# Altium PCB FIT_TDC_ADC.PcbDoc (part 3 of 10) (continued)
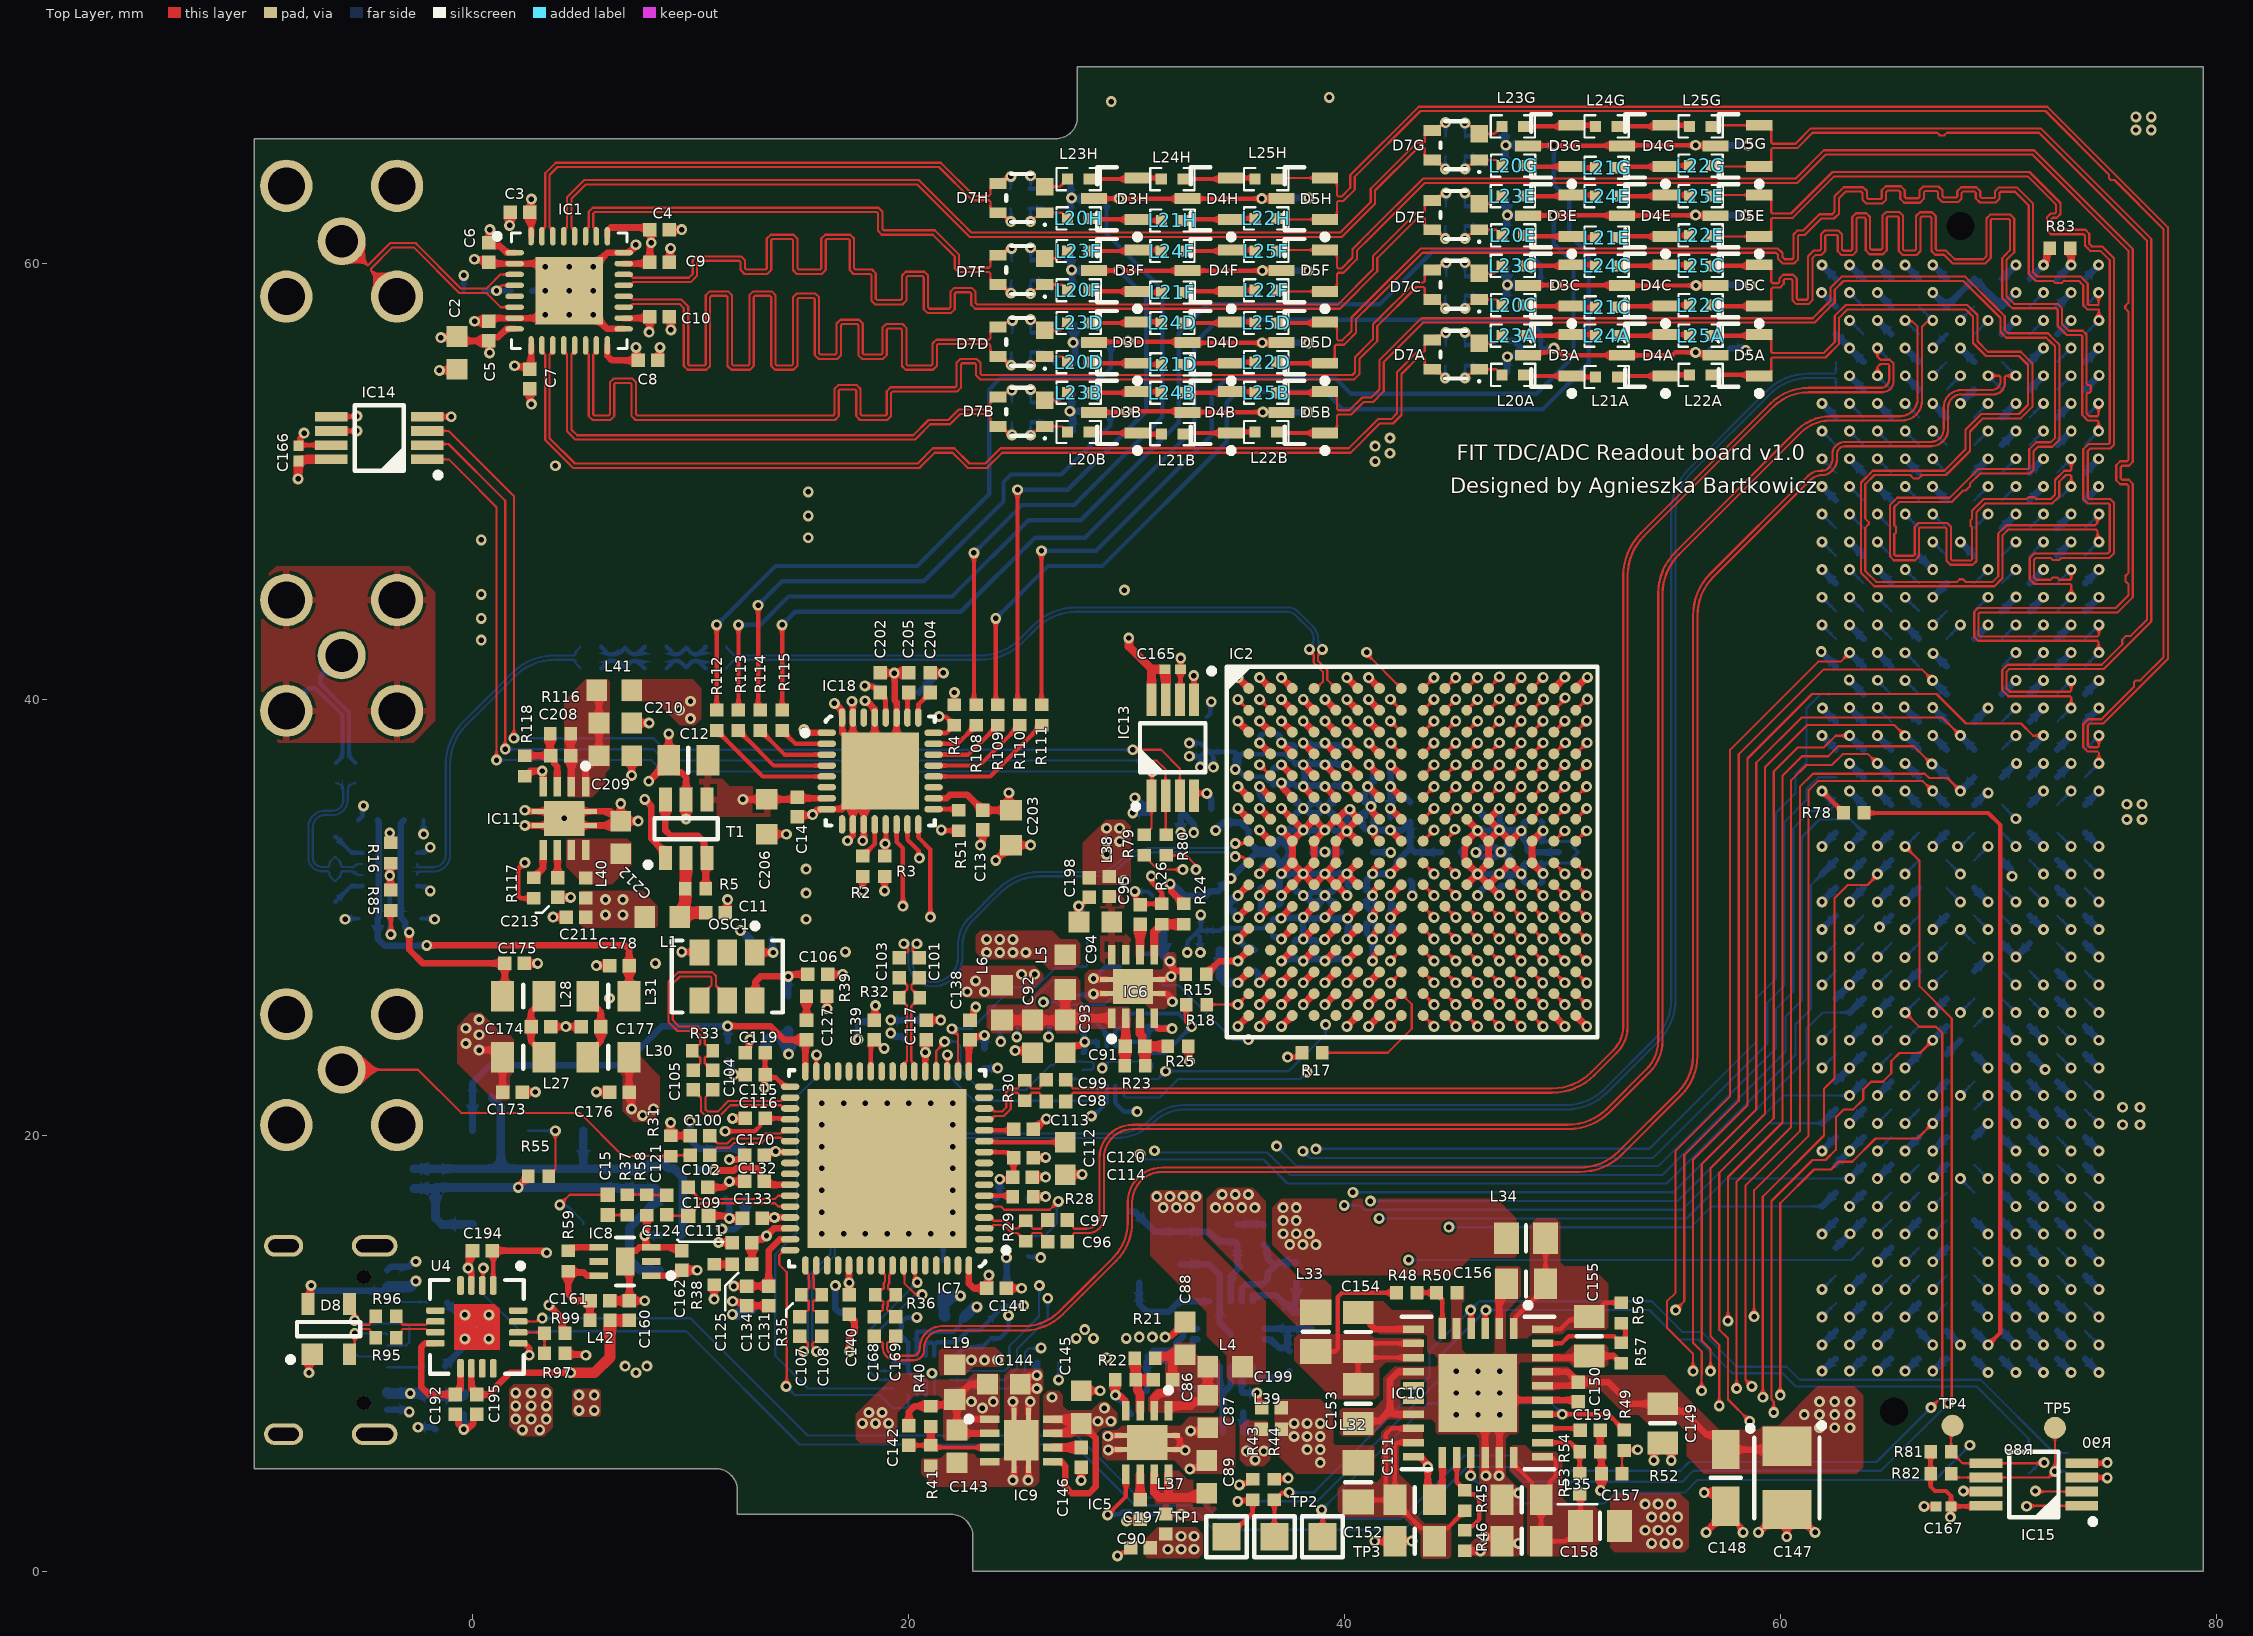
[diagram p0: Top Layer view]
## Nets (pads, with @x,y where several pads share a name; then routed paths per layer and width w, separated by ;. In a path a pad name is that pad's centre, name@x,y a point inside that pad or via, vN(x,y) a via of type N, cw(c..) or ccw(c..) an arc to the next point about the centre after c; other vN are vias at no path point) (continued)
  Bottom Layer w0.1: v1(65.72,48.479) 65.72,48.469 J4.g10@66.345,47.844
DA_D2_P: IC2.C9 J4.g9 | length 47.9
  Top Layer w0.1: IC2.C9@43.604,38.485 44.102,38.983 v1(44.102,38.985)
  SIGNAL2 w0.1: v1(44.102,38.985) 44.158,39.042 44.413,39.042 44.501,39.129 44.501,39.285 44.402,39.383 43.253,39.383 42.709,39.927 42.709,40.302 42.651,40.361 42.427,40.361 42.251,40.537 42.251,41.467 42.427,41.643 42.654,41.643 42.713,41.702 42.713,42.202 42.654,42.26 42.502,42.26 42.326,42.436 42.326,43.219 42.502,43.395 42.692,43.395 42.75,43.453 42.75,43.838 42.692,43.897 42.452,43.897 42.277,44.073 42.277,45.22 42.452,45.396 42.772,45.396 43.517,46.14 43.517,46.223 43.357,46.383 43.357,46.632 43.374,46.649 44.16,47.435 44.177,47.452 44.426,47.452 44.515,47.363 44.598,47.363 44.953,47.719 44.953,47.802 44.867,47.888 44.867,48.137 44.884,48.154 45.394,48.664 45.411,48.681 45.66,48.681 45.677,48.664 45.752,48.589 45.835,48.589 46.258,49.012 46.258,49.095 46.163,49.19 46.163,49.438 46.18,49.455 46.709,49.985 46.715,49.99 46.963,49.99 47.005,49.949 47.028,49.949 47.111,49.949 47.415,50.253 47.415,50.336 47.341,50.41 47.341,50.659 47.358,50.676 47.814,51.132 47.831,51.15 48.08,51.15 48.143,51.086 48.226,51.086 48.535,51.396 48.535,51.479 48.458,51.555 48.458,51.804 48.476,51.821 48.966,52.311 49.432,52.311 49.831,52.711 50.463,52.711 50.639,52.535 50.639,52.302 50.697,52.244 51.11,52.244 51.169,52.302 51.169,52.553 51.344,52.729 52.012,52.729 52.188,52.553 52.188,52.317 52.246,52.259 52.74,52.259 52.799,52.317 52.799,52.575 52.975,52.751 53.684,52.751 53.86,52.575 53.86,52.31 53.918,52.251 54.357,52.251 54.416,52.31 54.416,52.588 54.591,52.764 55.196,52.764 55.372,52.588 55.372,52.321 55.43,52.262 55.884,52.262 55.943,52.321 55.943,52.593 56.119,52.768 56.873,52.768 57.049,52.593 57.049,52.343 57.107,52.285 57.615,52.285 57.673,52.343 57.673,52.627 57.849,52.803 58.489,52.803 58.665,52.627 58.665,52.325 58.723,52.266 59.237,52.266 59.295,52.325 59.295,52.528 59.471,52.703 60.294,52.703 60.469,52.528 60.469,49.273 60.528,49.214 65.651,49.214 65.71,49.273 65.71,49.739 v1(65.72,49.749)
  Bottom Layer w0.1: v1(65.72,49.749) 65.72,49.739 J4.g9@66.345,49.114
DA_D3_N: IC2.D10 J4.c11 | length 48.8
  Top Layer w0.1: IC2.D10@44.604,37.485 45.102,37.983 v1(45.102,37.985)
  SIGNAL2 w0.1: v1(45.102,37.985) 45.066,38.021 44.774,38.021 44.704,38.091 44.704,38.367 44.501,38.57 43.371,38.57 42.496,39.445 42.437,39.504 42.352,39.589 41.938,39.589 41.704,39.823 41.704,45.774 49.195,53.265 60.682,53.265 61.252,52.695 61.252,52.089 61.863,51.478 61.921,51.419 62.065,51.419 62.423,51.062 62.423,50.918 63.039,50.301 66.988,50.301 68.085,49.204 68.085,48.854 68.144,48.796 68.842,48.097 69.078,47.861 69.195,47.744 72.001,47.744 72.06,47.686 v1(72.06,47.209)
  Bottom Layer w0.1: J4.c11@71.425,46.574 v1(72.06,47.209)
DA_D3_P: IC2.D9 J4.c10 | length 49.1
  Top Layer w0.1: IC2.D9@43.604,37.485 44.102,37.983 v1(44.102,37.985)
  SIGNAL2 w0.1: v1(44.102,37.985) 44.137,38.021 44.434,38.021 44.504,38.091 44.504,38.284 44.418,38.37 43.288,38.37 42.413,39.245 42.354,39.304 42.269,39.389 41.855,39.389 41.504,39.74 41.504,45.857 49.112,53.465 60.765,53.465 61.452,52.778 61.452,52.171 62.004,51.619 62.148,51.619 62.623,51.145 62.623,51.001 63.122,50.501 67.071,50.501 68.285,49.287 68.285,48.937 69.278,47.944 72.001,47.944 72.06,48.003 v1(72.06,48.479)
  Bottom Layer w0.1: J4.c10@71.425,47.844 v1(72.06,48.479)
DA_D4_N: IC2.E10 J4.h8 | length 46.8
  Top Layer w0.1: IC2.E10@44.604,36.485 v1(45.104,36.985)
  SIGNAL2 w0.1: v1(45.104,36.985) 45.068,37.021 44.774,37.021 44.704,37.091 44.704,37.367 44.501,37.57 43.569,37.57 43.393,37.394 43.393,36.363 43.335,36.304 42.781,36.304 42.723,36.363 42.723,37.411 42.547,37.586 41.951,37.586 41.721,37.816 41.721,38.311 41.443,38.589 40.935,38.589 40.704,38.82 40.704,41.749 40.458,41.995 40.458,42.351 40.788,42.681 40.788,43.022 40.443,43.366 40.443,43.553 40.768,43.879 40.768,44.181 40.449,44.501 40.449,44.771 40.684,45.006 40.684,45.835 49.019,54.17 61.871,54.17 62.42,53.621 62.42,52.157 63.022,51.554 64.276,51.554 64.44,51.39 v1(64.44,51.019)
  Bottom Layer w0.1: v1(64.44,51.019) J4.h8@65.075,50.384
DA_D4_P: IC2.E9 J4.h7 | length 47.2
  Top Layer w0.1: IC2.E9@43.604,36.485 v1(44.104,36.985)
  SIGNAL2 w0.1: v1(44.104,36.985) 44.139,37.021 44.434,37.021 44.504,37.091 44.504,37.284 44.418,37.37 43.652,37.37 43.593,37.312 43.593,36.28 43.418,36.104 42.698,36.104 42.523,36.28 42.523,37.328 42.464,37.386 41.868,37.386 41.521,37.733 41.521,38.228 41.36,38.389 40.852,38.389 40.504,38.737 40.504,41.666 40.375,41.795 40.258,41.913 40.258,42.433 40.316,42.492 40.414,42.59 40.588,42.763 40.588,42.939 40.243,43.283 40.243,43.636 40.568,43.962 40.568,44.098 40.249,44.418 40.249,44.854 40.366,44.971 40.484,45.089 40.484,45.918 48.936,54.37 61.954,54.37 62.62,53.704 62.62,52.239 63.105,51.754 64.276,51.754 64.44,51.918 v1(64.44,52.289)
  Bottom Layer w0.1: v1(64.44,52.289) J4.h7@65.075,51.654
DA_D5_N: IC2.F10 J4.g13 | length 47.4
  Top Layer w0.1: IC2.F10@44.604,35.485 v1(45.104,35.985)
  SIGNAL2 w0.1: v1(45.104,35.985) 45.068,36.021 44.774,36.021 44.704,36.091 44.704,36.284 44.79,36.37 45.406,36.37 45.704,36.668 45.704,37.234 45.702,37.236 45.702,41.557 45.766,41.622 45.908,41.622 46.084,41.797 46.084,42.496 45.908,42.672 45.776,42.672 45.718,42.731 45.718,42.959 46.45,43.691 46.45,43.94 46.225,44.164 46.225,44.279 46.587,44.641 46.604,44.658 46.687,44.658 46.971,44.374 47.22,44.374 47.725,44.879 47.725,45.149 47.419,45.455 47.419,45.538 47.436,45.555 47.854,45.973 47.871,45.99 47.954,45.99 48.27,45.674 48.519,45.674 49.024,46.178 49.024,46.449 48.737,46.735 48.737,46.818 48.754,46.835 49.172,47.253 49.189,47.27 49.272,47.27 49.57,46.973 49.818,46.973 50.323,47.478 50.323,47.748 50.123,47.948 50.123,48.031 50.745,48.653 51.305,48.653 51.364,48.594 51.364,48.227 51.539,48.052 52.372,48.052 52.548,48.227 52.548,48.518 52.607,48.577 53.163,48.577 53.221,48.518 53.221,48.234 53.397,48.058 54.118,48.058 54.294,48.234 54.294,48.428 54.352,48.487 54.841,48.487 54.92,48.408 54.92,45.868 55.096,45.692 55.944,45.692 56.12,45.868 56.12,48.911 56.178,48.969 56.819,48.969 56.878,48.911 56.878,46.154 57.054,45.979 60.777,45.979 60.835,45.92 60.835,45.395 61.011,45.219 65.531,45.219 65.71,45.04 65.71,44.679 v1(65.72,44.669)
  Bottom Layer w0.1: v1(65.72,44.669) 65.72,44.659 J4.g13@66.345,44.034
DA_D5_P: IC2.F9 J4.g12 | length 47.6
  Top Layer w0.1: IC2.F9@43.604,35.485 v1(44.104,35.985)
  SIGNAL2 w0.1: v1(44.104,35.985) 44.139,36.021 44.434,36.021 44.504,36.091 44.504,36.367 44.707,36.57 45.323,36.57 45.504,36.751 45.504,37.151 45.502,37.153 45.502,41.64 45.684,41.822 45.825,41.822 45.884,41.88 45.884,42.414 45.825,42.472 45.693,42.472 45.518,42.648 45.518,43.042 46.25,43.774 46.25,43.857 46.025,44.081 46.025,44.362 46.504,44.841 46.522,44.858 46.77,44.858 47.054,44.574 47.137,44.574 47.525,44.962 47.525,45.067 ; 47.506,45.085 47.219,45.372 47.219,45.621 47.236,45.638 47.771,46.173 47.788,46.19 48.037,46.19 48.353,45.874 48.436,45.874 48.824,46.261 48.824,46.366 ; 48.805,46.384 48.537,46.652 48.537,46.901 48.554,46.918 49.089,47.453 49.107,47.47 49.355,47.47 49.653,47.173 49.735,47.173 50.123,47.561 50.123,47.665 ; 50.105,47.684 49.923,47.865 49.923,48.114 50.662,48.853 51.388,48.853 51.564,48.677 51.564,48.31 51.622,48.252 52.289,48.252 52.348,48.31 52.348,48.601 52.524,48.777 53.245,48.777 53.421,48.601 53.421,48.317 53.48,48.258 54.035,48.258 54.094,48.317 54.094,48.511 54.269,48.687 54.924,48.687 55.12,48.491 55.12,45.951 55.178,45.892 55.861,45.892 55.92,45.951 55.92,48.994 56.096,49.169 56.902,49.169 57.078,48.994 57.078,46.237 57.136,46.179 60.859,46.179 61.035,46.003 61.035,45.478 61.094,45.419 65.561,45.419 65.71,45.568 65.71,45.929 v1(65.72,45.939)
  Bottom Layer w0.1: v1(65.72,45.939) 65.72,45.929 J4.g12@66.345,45.304
DA_D6_N: IC2.A12 J4.h14 | length 47.7
  Top Layer w0.1: IC2.A12@46.604,40.485 47.081,40.963 47.081,41.002 v1(47.104,41.024)
  SIGNAL2 w0.1: v1(47.104,41.024) 47.1,41.021 46.774,41.021 46.704,41.091 46.704,41.353 46.769,41.418 46.91,41.418 47.086,41.593 47.086,42.293 46.91,42.468 46.778,42.468 46.72,42.527 46.72,42.869 47.12,43.269 47.12,43.469 47.32,43.669 47.603,43.669 48.42,44.486 48.42,44.769 48.62,44.969 49.003,44.969 49.62,45.586 49.62,45.969 50.053,46.403 50.374,46.403 50.432,46.344 50.432,43.585 50.608,43.409 51.387,43.409 51.563,43.585 51.563,47.211 51.622,47.269 52.148,47.269 52.206,47.211 52.206,43.482 52.382,43.306 53.151,43.306 53.327,43.482 53.327,47.169 53.385,47.228 53.963,47.228 54.022,47.169 54.022,44.245 54.197,44.069 54.836,44.069 55.012,44.245 55.012,44.77 55.071,44.828 55.566,44.828 55.625,44.77 55.625,44.202 55.8,44.026 56.467,44.026 56.643,44.202 56.643,45.074 56.701,45.133 57.23,45.133 57.289,45.074 57.289,44.202 57.464,44.026 58.406,44.026 58.581,44.202 58.581,45.139 58.64,45.197 59.167,45.197 59.226,45.139 59.226,44.165 59.401,43.989 60.228,43.989 60.403,44.165 60.403,44.415 60.462,44.474 60.984,44.474 61.043,44.415 61.043,44.11 61.219,43.934 64.276,43.934 64.44,43.77 v1(64.44,43.399)
  Bottom Layer w0.1: v1(64.44,43.399) J4.h14@65.075,42.764
DA_D6_P: IC2.A11 J4.h13 | length 48
  Top Layer w0.1: IC2.A11@45.604,40.485 v1(46.104,40.985)
  SIGNAL2 w0.1: v1(46.104,40.985) 46.139,41.021 46.434,41.021 46.504,41.091 46.504,41.436 46.686,41.618 46.827,41.618 46.886,41.676 46.886,42.21 46.827,42.268 46.696,42.268 46.52,42.444 46.52,42.952 46.92,43.352 46.92,43.552 47.237,43.869 47.52,43.869 48.22,44.569 48.22,44.852 48.537,45.169 48.92,45.169 49.42,45.669 49.42,46.052 49.97,46.603 50.456,46.603 50.632,46.427 50.632,43.668 50.691,43.609 51.304,43.609 51.363,43.668 51.363,47.294 51.539,47.469 52.23,47.469 52.406,47.294 52.406,43.565 52.465,43.506 53.068,43.506 53.127,43.565 53.127,47.252 53.302,47.428 54.046,47.428 54.222,47.252 54.222,44.328 54.28,44.269 54.754,44.269 54.812,44.328 54.812,44.853 54.988,45.028 55.649,45.028 55.825,44.853 55.825,44.285 55.883,44.226 56.384,44.226 56.443,44.285 56.443,45.157 56.618,45.333 57.313,45.333 57.489,45.157 57.489,44.285 57.547,44.226 58.323,44.226 58.381,44.285 58.381,45.221 58.557,45.397 59.25,45.397 59.426,45.221 59.426,44.248 59.484,44.189 60.145,44.189 60.203,44.248 60.203,44.498 60.379,44.674 61.067,44.674 61.243,44.498 61.243,44.193 61.301,44.134 64.276,44.134 64.44,44.298 v1(64.44,44.669)
  Bottom Layer w0.1: v1(64.44,44.669) J4.h13@65.075,44.034
DA_D7_N: IC2.B12 J4.d15 | length 47.4
  Top Layer w0.1: IC2.B12@46.604,39.485 47.104,39.985 v1(47.104,40.014)
  SIGNAL2 w0.1: v1(47.104,40.014) 47.027,40.09 46.815,40.09 46.704,40.201 46.704,40.284 46.844,40.424 47.405,40.424 47.704,40.723 47.704,41.453 47.878,41.628 47.878,42.828 48.097,43.046 48.747,43.046 48.922,43.222 48.922,43.867 49.383,44.327 49.626,44.327 49.685,44.269 49.685,43.262 49.802,43.145 50.042,42.905 50.283,42.664 50.845,42.664 51.092,42.418 51.436,42.418 51.553,42.535 51.719,42.701 52.282,42.701 52.591,42.393 52.922,42.393 53.104,42.575 53.238,42.708 53.842,42.708 54.02,42.886 54.02,43.311 54.078,43.369 54.491,43.369 54.55,43.311 54.55,42.913 54.725,42.738 55.393,42.738 55.569,42.913 55.569,43.296 55.627,43.354 56.121,43.354 56.18,43.296 56.18,42.923 56.356,42.747 57.011,42.747 57.187,42.923 57.187,43.303 57.245,43.362 57.694,43.362 57.753,43.303 57.753,42.909 57.929,42.733 58.539,42.733 58.715,42.909 58.715,43.29 58.774,43.349 59.131,43.349 59.19,43.29 59.19,42.883 59.365,42.707 59.919,42.707 60.099,42.887 60.099,43.193 60.207,43.3 60.492,43.3 60.55,43.242 60.55,42.422 60.726,42.247 61.293,42.247 61.469,42.422 61.469,42.617 61.527,42.676 62.063,42.676 62.231,42.508 62.314,42.425 62.756,42.425 62.873,42.542 63.01,42.679 63.278,42.679 63.532,42.425 64.077,42.425 64.194,42.542 64.325,42.673 64.571,42.673 64.694,42.551 64.811,42.434 65.274,42.434 65.391,42.551 65.528,42.688 65.87,42.688 66.006,42.551 66.124,42.434 66.597,42.434 66.714,42.551 66.887,42.723 67.825,42.723 67.932,42.616 68.811,42.616 69.035,42.84 69.035,43.954 68.859,44.13 68.478,44.13 68.42,44.189 68.42,45.611 68.478,45.669 68.844,45.669 68.903,45.611 68.903,45.378 69.078,45.203 71.336,45.203 71.395,45.144 71.395,44.228 71.336,44.169 70.207,44.169 70.02,43.982 70.02,42.881 70.237,42.664 70.626,42.664 70.79,42.5 v1(70.79,42.129)
  Bottom Layer w0.1: J4.d15@70.155,41.494 v1(70.79,42.129)
DA_D7_P: IC2.B11 J4.d14 | length 47.6
  Top Layer w0.1: IC2.B11@45.604,39.485 v1(46.104,39.985)
  SIGNAL2 w0.1: v1(46.104,39.985) 46.139,40.021 46.158,40.021 46.761,40.624 47.322,40.624 47.504,40.806 47.504,41.536 47.678,41.711 47.678,42.911 48.014,43.246 48.664,43.246 48.722,43.305 48.722,43.95 49.3,44.527 49.709,44.527 49.885,44.352 49.885,43.345 50.125,43.105 50.366,42.864 50.928,42.864 51.175,42.618 51.353,42.618 51.636,42.901 52.365,42.901 52.673,42.593 52.839,42.593 52.904,42.657 53.155,42.908 53.759,42.908 53.82,42.969 53.82,43.394 53.996,43.569 54.574,43.569 54.75,43.394 54.75,42.996 54.808,42.938 55.31,42.938 55.369,42.996 55.369,43.379 55.544,43.554 56.204,43.554 56.38,43.379 56.38,43.005 56.438,42.947 56.928,42.947 56.987,43.005 56.987,43.386 57.162,43.562 57.777,43.562 57.953,43.386 57.953,42.992 58.012,42.933 58.457,42.933 58.515,42.992 58.515,43.373 58.691,43.549 59.214,43.549 59.39,43.373 59.39,42.966 59.448,42.907 59.836,42.907 59.899,42.97 59.899,43.276 60.124,43.5 60.575,43.5 60.75,43.325 60.75,42.505 60.809,42.447 61.21,42.447 61.269,42.505 61.269,42.7 61.444,42.876 62.146,42.876 62.314,42.708 62.397,42.625 62.673,42.625 62.927,42.879 63.36,42.879 63.531,42.708 63.614,42.625 63.994,42.625 64.242,42.873 64.654,42.873 64.894,42.634 65.191,42.634 65.445,42.888 65.952,42.888 66.206,42.634 66.514,42.634 66.804,42.923 67.908,42.923 68.015,42.816 68.728,42.816 68.835,42.923 68.835,43.871 68.776,43.93 68.396,43.93 68.22,44.106 68.22,45.694 68.396,45.869 68.927,45.869 69.103,45.694 69.103,45.461 69.161,45.403 71.419,45.403 71.595,45.227 71.595,44.145 71.419,43.969 70.29,43.969 70.22,43.899 70.22,42.964 70.32,42.864 70.626,42.864 70.79,43.028 v1(70.79,43.399)
  Bottom Layer w0.1: J4.d14@70.155,42.764 v1(70.79,43.399)
DA_D8_N: IC2.C12 J4.g16 | length 47.7
  Top Layer w0.1: IC2.C12@46.604,38.485 47.104,38.985 v1(47.104,38.997)
  SIGNAL2 w0.1: v1(47.104,38.997) 47.08,39.021 46.774,39.021 46.704,39.091 46.704,39.284 46.826,39.406 47.348,39.406 47.494,39.552 47.68,39.552 47.836,39.397 48.367,39.397 48.718,39.748 48.718,40.816 48.704,40.831 48.704,42.296 48.777,42.369 49.464,42.369 49.522,42.311 49.522,41.264 49.504,41.245 49.504,40.177 49.518,40.162 49.518,39.665 49.787,39.397 50.529,39.397 50.738,39.606 50.738,41.817 50.796,41.876 51.522,41.876 51.58,41.817 51.58,40.184 51.756,40.009 52.378,40.009 52.554,40.184 52.554,41.775 52.612,41.834 53.107,41.834 53.166,41.775 53.166,40.298 53.342,40.122 53.969,40.122 54.145,40.298 54.145,42.014 54.204,42.073 54.666,42.073 54.724,42.014 54.724,40.689 54.9,40.513 55.629,40.513 55.805,40.689 55.805,42.042 55.863,42.101 56.377,42.101 56.435,42.042 56.435,40.661 56.611,40.485 57.401,40.485 57.577,40.661 57.577,41.997 57.635,42.056 58.192,42.056 58.251,41.997 58.251,40.615 58.427,40.439 59.197,40.439 59.373,40.615 59.373,41.98 59.431,42.039 59.961,42.039 60.02,41.98 60.02,40.989 60.078,40.93 60.196,40.813 60.893,40.813 61.069,40.989 61.069,41.505 61.127,41.564 61.333,41.564 61.503,41.393 61.621,41.276 62.098,41.276 62.215,41.393 62.446,41.624 62.607,41.624 62.802,41.429 62.919,41.312 63.314,41.312 63.717,41.715 63.884,41.715 64.217,41.382 65.653,41.382 65.712,41.323 65.712,40.862 v1(65.71,40.859)
  Bottom Layer w0.1: v1(65.71,40.859) J4.g16@66.345,40.224
DA_D8_P: IC2.C11 J4.g15 | length 48.1
  Top Layer w0.1: IC2.C11@45.604,38.485 v1(46.104,38.985)
  SIGNAL2 w0.1: v1(46.104,38.985) 46.139,39.021 46.434,39.021 46.504,39.091 46.504,39.367 46.743,39.606 47.266,39.606 47.411,39.752 47.763,39.752 47.918,39.597 48.284,39.597 48.518,39.831 48.518,40.734 48.504,40.748 48.504,42.379 48.694,42.569 49.546,42.569 49.722,42.394 49.722,41.181 49.704,41.162 49.704,40.26 49.718,40.245 49.718,39.748 49.87,39.597 50.446,39.597 50.538,39.689 50.538,41.9 50.714,42.076 51.605,42.076 51.78,41.9 51.78,40.267 51.839,40.209 52.295,40.209 52.354,40.267 52.354,41.858 52.529,42.034 53.19,42.034 53.366,41.858 53.366,40.381 53.424,40.322 53.886,40.322 53.945,40.381 53.945,42.097 54.121,42.273 54.749,42.273 54.924,42.097 54.924,40.772 54.983,40.713 55.546,40.713 55.605,40.772 55.605,42.125 55.78,42.301 56.46,42.301 56.635,42.125 56.635,40.743 56.694,40.685 57.318,40.685 57.377,40.743 57.377,42.08 57.553,42.256 58.275,42.256 58.451,42.08 58.451,40.698 58.51,40.639 59.114,40.639 59.173,40.698 59.173,42.063 59.348,42.239 60.044,42.239 60.22,42.063 60.22,41.072 60.278,41.013 60.81,41.013 60.869,41.072 60.869,41.588 61.044,41.764 61.415,41.764 61.703,41.476 62.015,41.476 62.363,41.824 62.69,41.824 63.002,41.512 63.231,41.512 63.634,41.915 63.967,41.915 64.299,41.582 65.656,41.582 65.714,41.641 v1(65.714,42.124)
  Bottom Layer w0.1: v1(65.714,42.124) J4.g15@66.345,41.494
DA_D9_N: IC2.D12 J4.h17 | length 46.5
  Top Layer w0.1: IC2.D12@46.604,37.485 47.104,37.985 v1(47.104,37.997)
  SIGNAL2 w0.1: v1(47.104,37.997) 47.08,38.021 46.774,38.021 46.704,38.091 46.704,38.284 46.816,38.397 48.413,38.397 48.504,38.306 48.504,37.572 48.562,37.514 48.68,37.397 49.51,37.397 49.725,37.612 49.725,38.327 49.795,38.397 50.45,38.397 50.529,38.318 50.529,37.577 50.71,37.397 51.59,37.397 51.766,37.572 51.766,39.23 51.824,39.288 52.276,39.288 52.335,39.23 52.335,37.331 52.511,37.155 53.207,37.155 53.383,37.331 53.383,39.252 53.441,39.311 53.938,39.311 53.997,39.252 53.997,37.382 54.173,37.207 54.796,37.207 54.972,37.382 54.972,39.706 55.03,39.765 55.506,39.765 55.564,39.706 55.564,37.345 55.74,37.169 56.377,37.169 56.552,37.345 56.552,39.689 56.611,39.748 57.069,39.748 57.127,39.689 57.127,37.345 57.303,37.169 58.027,37.169 58.203,37.345 58.203,39.611 58.261,39.669 58.727,39.669 58.786,39.611 58.786,38.645 58.962,38.469 59.698,38.469 59.815,38.586 59.874,38.645 59.874,40.05 59.933,40.109 60.427,40.109 60.486,40.05 60.486,39.761 60.661,39.586 61.261,39.586 61.437,39.761 61.437,40.066 61.496,40.124 62.163,40.124 62.408,40.37 62.658,40.37 62.904,40.124 63.681,40.124 63.683,40.122 64.157,40.122 64.173,40.138 64.388,40.138 64.447,40.08 64.447,39.623 v1(64.44,39.616)
  Bottom Layer w0.1: v1(64.44,39.616) 64.44,39.589 J4.h17@65.075,38.954
DA_D9_P: IC2.D11 J4.h16 | length 46.8
  Top Layer w0.1: IC2.D11@45.604,37.485 v1(46.104,37.985)
  SIGNAL2 w0.1: v1(46.104,37.985) 46.139,38.021 46.434,38.021 46.504,38.091 46.504,38.367 46.733,38.597 48.496,38.597 48.704,38.389 48.704,37.655 48.762,37.597 49.428,37.597 49.525,37.695 49.525,38.41 49.712,38.597 50.533,38.597 50.729,38.401 50.729,37.66 50.792,37.597 51.507,37.597 51.566,37.655 51.566,39.313 51.741,39.488 52.359,39.488 52.535,39.313 52.535,37.414 52.593,37.355 53.124,37.355 53.183,37.414 53.183,39.335 53.358,39.511 54.021,39.511 54.197,39.335 54.197,37.465 54.255,37.407 54.713,37.407 54.772,37.465 54.772,39.789 54.948,39.965 55.589,39.965 55.764,39.789 55.764,37.428 55.823,37.369 56.294,37.369 56.352,37.428 56.352,39.772 56.528,39.948 57.152,39.948 57.327,39.772 57.327,37.428 57.386,37.369 57.944,37.369 58.003,37.428 58.003,39.694 58.178,39.869 58.81,39.869 58.986,39.694 58.986,38.728 59.044,38.669 59.615,38.669 59.674,38.728 59.674,40.133 59.85,40.309 60.51,40.309 60.686,40.133 60.686,39.844 60.744,39.786 61.178,39.786 61.237,39.844 61.237,40.149 61.413,40.324 62.08,40.324 62.325,40.57 62.741,40.57 62.987,40.324 63.764,40.324 63.766,40.322 64.074,40.322 64.091,40.338 64.388,40.338 64.454,40.404 v1(64.454,40.86)
  Bottom Layer w0.1: v1(64.454,40.86) 64.454,40.845 J4.h16@65.075,40.224
DA_D10_N: IC2.E12 J4.c15 | length 47.7
  Top Layer w0.1: IC2.E12@46.604,36.485 v1(47.104,36.985)
  SIGNAL2 w0.1: v1(47.104,36.985) 47.098,36.991 46.762,36.991 46.704,37.05 46.704,37.268 46.821,37.385 47.435,37.385 47.52,37.301 47.52,36.561 47.696,36.385 51.481,36.385 51.604,36.508 59,36.508 59.176,36.684 59.176,37.734 59.235,37.792 60.509,37.792 60.685,37.968 60.685,38.792 60.743,38.851 63.561,38.851 63.62,38.792 63.62,37.828 63.796,37.652 65.037,37.652 65.213,37.828 65.213,40.011 65.271,40.069 66.187,40.069 66.245,40.011 66.245,37.828 66.421,37.652 67.436,37.652 67.612,37.828 67.612,41.642 67.671,41.7 68.245,41.7 68.304,41.642 68.304,40.263 68.48,40.087 69.29,40.087 69.466,40.263 69.466,41.737 69.525,41.795 70.066,41.795 70.125,41.737 70.125,40.254 70.301,40.078 71.36,40.078 71.536,40.254 71.536,42.606 71.594,42.664 71.896,42.664 72.06,42.5 v1(72.06,42.129)
  Bottom Layer w0.1: J4.c15@71.425,41.494 v1(72.06,42.129)
DA_D10_P: IC2.E11 J4.c14 | length 48
  Top Layer w0.1: IC2.E11@45.604,36.485 v1(46.104,36.985)
  SIGNAL2 w0.1: v1@46.11,36.991 46.445,36.991 46.504,37.05 46.504,37.351 46.738,37.585 47.518,37.585 47.72,37.384 47.72,36.644 47.778,36.585 51.399,36.585 51.522,36.708 58.918,36.708 58.976,36.767 58.976,37.817 59.152,37.992 60.426,37.992 60.485,38.051 60.485,38.875 60.66,39.051 63.644,39.051 63.82,38.875 63.82,37.911 63.878,37.852 64.954,37.852 65.013,37.911 65.013,40.093 65.188,40.269 66.27,40.269 66.445,40.093 66.445,37.911 66.504,37.852 67.353,37.852 67.412,37.911 67.412,41.725 67.588,41.9 68.328,41.9 68.504,41.725 68.504,40.346 68.563,40.287 69.207,40.287 69.266,40.346 69.266,41.819 69.442,41.995 70.149,41.995 70.325,41.819 70.325,40.336 70.384,40.278 71.277,40.278 71.336,40.336 71.336,42.689 71.511,42.864 71.896,42.864 72.06,43.028 v1(72.06,43.399)
  Bottom Layer w0.1: J4.c14@71.425,42.764 v1(72.06,43.399)
DA_D11_N: IC2.F12 J4.d18 | length 47.9
  Top Layer w0.1: IC2.F12@46.604,35.485 v1(47.104,35.985)
  SIGNAL2 w0.1: v1(47.104,35.985) 47.068,35.95 46.774,35.95 46.704,35.88 46.704,35.686 46.805,35.585 51.27,35.585 51.478,35.794 51.478,35.816 51.654,35.992 52.179,35.992 52.355,35.816 52.355,35.1 52.414,35.041 52.967,35.041 53.026,35.1 53.026,35.878 53.202,36.054 53.887,36.054 54.063,35.878 54.063,35.093 54.121,35.034 54.674,35.034 54.733,35.093 54.733,35.849 54.908,36.025 55.582,36.025 55.758,35.849 55.758,35.078 55.817,35.019 56.315,35.019 56.373,35.078 56.373,35.849 56.549,36.025 57.186,36.025 57.362,35.849 57.362,35.078 57.421,35.019 57.963,35.019 58.022,35.078 58.022,35.752 58.139,35.869 58.197,35.928 58.895,35.928 59.071,35.752 59.071,35.189 59.129,35.131 59.724,35.131 59.783,35.189 59.783,37.006 59.946,37.169 60.479,37.169 60.655,36.994 60.655,36.363 60.714,36.304 61.2,36.304 61.258,36.363 61.258,37.494 61.434,37.669 62.423,37.669 62.599,37.494 62.599,36.607 62.658,36.548 68.612,36.548 68.671,36.607 68.671,39.011 68.847,39.187 69.439,39.187 69.614,39.011 69.614,36.536 69.673,36.478 70.161,36.478 70.22,36.536 70.22,37.569 70.42,37.769 71.337,37.769 71.429,37.861 71.429,38.811 71.37,38.869 70.848,38.869 70.79,38.811 v1(70.79,38.319)
  Bottom Layer w0.1: J4.d18@70.155,37.684 v1(70.79,38.319)
DA_D11_P: IC2.F11 J4.d17 | length 48.8
  Top Layer w0.1: IC2.F11@45.604,35.485 v1(46.104,35.985)
  SIGNAL2 w0.1: v1(46.104,35.985) 46.139,35.95 46.434,35.95 46.504,35.88 46.504,35.604 46.722,35.385 51.352,35.385 51.678,35.711 51.678,35.733 51.737,35.792 52.096,35.792 52.155,35.733 52.155,35.017 52.331,34.841 53.05,34.841 53.226,35.017 53.226,35.795 53.284,35.854 53.804,35.854 53.863,35.795 53.863,35.01 54.038,34.834 54.757,34.834 54.933,35.01 54.933,35.767 54.991,35.825 55.5,35.825 55.558,35.767 55.558,34.995 55.734,34.819 56.398,34.819 56.573,34.995 56.573,35.767 56.632,35.825 57.104,35.825 57.162,35.767 57.162,34.995 57.338,34.819 58.046,34.819 58.222,34.995 58.222,35.669 58.28,35.728 58.812,35.728 58.871,35.669 58.871,35.106 59.046,34.931 59.807,34.931 59.983,35.106 59.983,36.923 60.029,36.969 60.397,36.969 60.455,36.911 60.455,36.28 60.631,36.104 61.283,36.104 61.458,36.28 61.458,37.411 61.517,37.469 62.341,37.469 62.399,37.411 62.399,36.524 62.575,36.348 62.859,36.348 ; 62.86,36.348 68.695,36.348 68.871,36.524 68.871,38.929 68.929,38.987 69.356,38.987 69.414,38.929 69.414,36.453 69.59,36.278 70.244,36.278 70.42,36.453 70.42,37.486 70.503,37.569 71.42,37.569 71.629,37.778 71.629,38.894 71.453,39.069 70.848,39.069 70.79,39.128 v1(70.79,39.589)
  Bottom Layer w0.1: J4.d17@70.155,38.954 v1(70.79,39.589)
DA_STR_N: IC2.H10 J4.d9 | length 48.1
  Top Layer w0.1: IC2.H10@44.604,33.485 45.039,33.92 45.039,34.006 v1(45.061,34.029)
  SIGNAL2 w0.1: v1(45.061,34.029) 45.036,34.003 44.756,34.003 44.686,34.073 44.686,34.25 44.822,34.385 47.27,34.385 47.276,34.379 51.727,34.379 52.025,34.081 60.006,34.081 60.791,34.867 70.303,34.867 70.42,34.984 71.705,36.269 72.267,36.269 72.384,36.386 72.732,36.734 72.732,48.737 72.405,49.064 72.288,49.182 70.536,49.182 70.246,49.471 70.246,50.218 70.32,50.292 70.619,50.292 70.79,50.12 v1(70.79,49.749)
  Bottom Layer w0.1: J4.d9@70.155,49.114 v1(70.79,49.749)
DA_STR_P: IC2.H9 J4.d8 | length 48.4
  Top Layer w0.1: IC2.H9@43.604,33.485 v1(44.104,33.985)
  SIGNAL2 w0.1: v1(44.104,33.985) 44.122,34.003 44.416,34.003 44.486,34.073 44.486,34.332 44.739,34.585 47.352,34.585 47.359,34.579 51.81,34.579 52.107,34.281 59.923,34.281 60.709,35.067 70.22,35.067 71.622,36.469 72.184,36.469 72.532,36.817 72.532,48.654 72.205,48.982 70.453,48.982 70.046,49.388 70.046,50.301 70.237,50.492 70.633,50.492 70.79,50.648 v1(70.79,51.019)
  Bottom Layer w0.1: J4.d8@70.155,50.384 v1(70.79,51.019)
DB_CLK_N: IC2.K10 J4.d21 | length 43.1
  Top Layer w0.1: IC2.K10@44.604,31.485 v1(45.104,30.985)
  SIGNAL2 w0.1: v1(45.104,30.985) 45.068,31.021 44.774,31.021 44.704,31.091 44.704,31.367 44.493,31.578 43.61,31.578 43.603,31.585 39.904,31.585 39.704,31.785 39.704,34.253 39.795,34.344 41.078,34.344 41.119,34.385 42.804,34.385 42.92,34.269 43.02,34.169 43.02,33.394 43.237,33.177 45.111,33.177 45.299,33.366 46.655,33.366 46.674,33.385 47.83,33.385 47.855,33.36 51.55,33.36 51.732,33.177 60.228,33.177 60.345,33.294 60.987,33.936 69.653,33.936 69.815,33.774 70.626,33.774 70.79,33.61 v1(70.79,33.239)
  Bottom Layer w0.1: J4.d21@70.155,33.874 v1(70.79,33.239)